# Altium PCB PM12_CFD.PcbDoc (part 8 of 12) (continued)
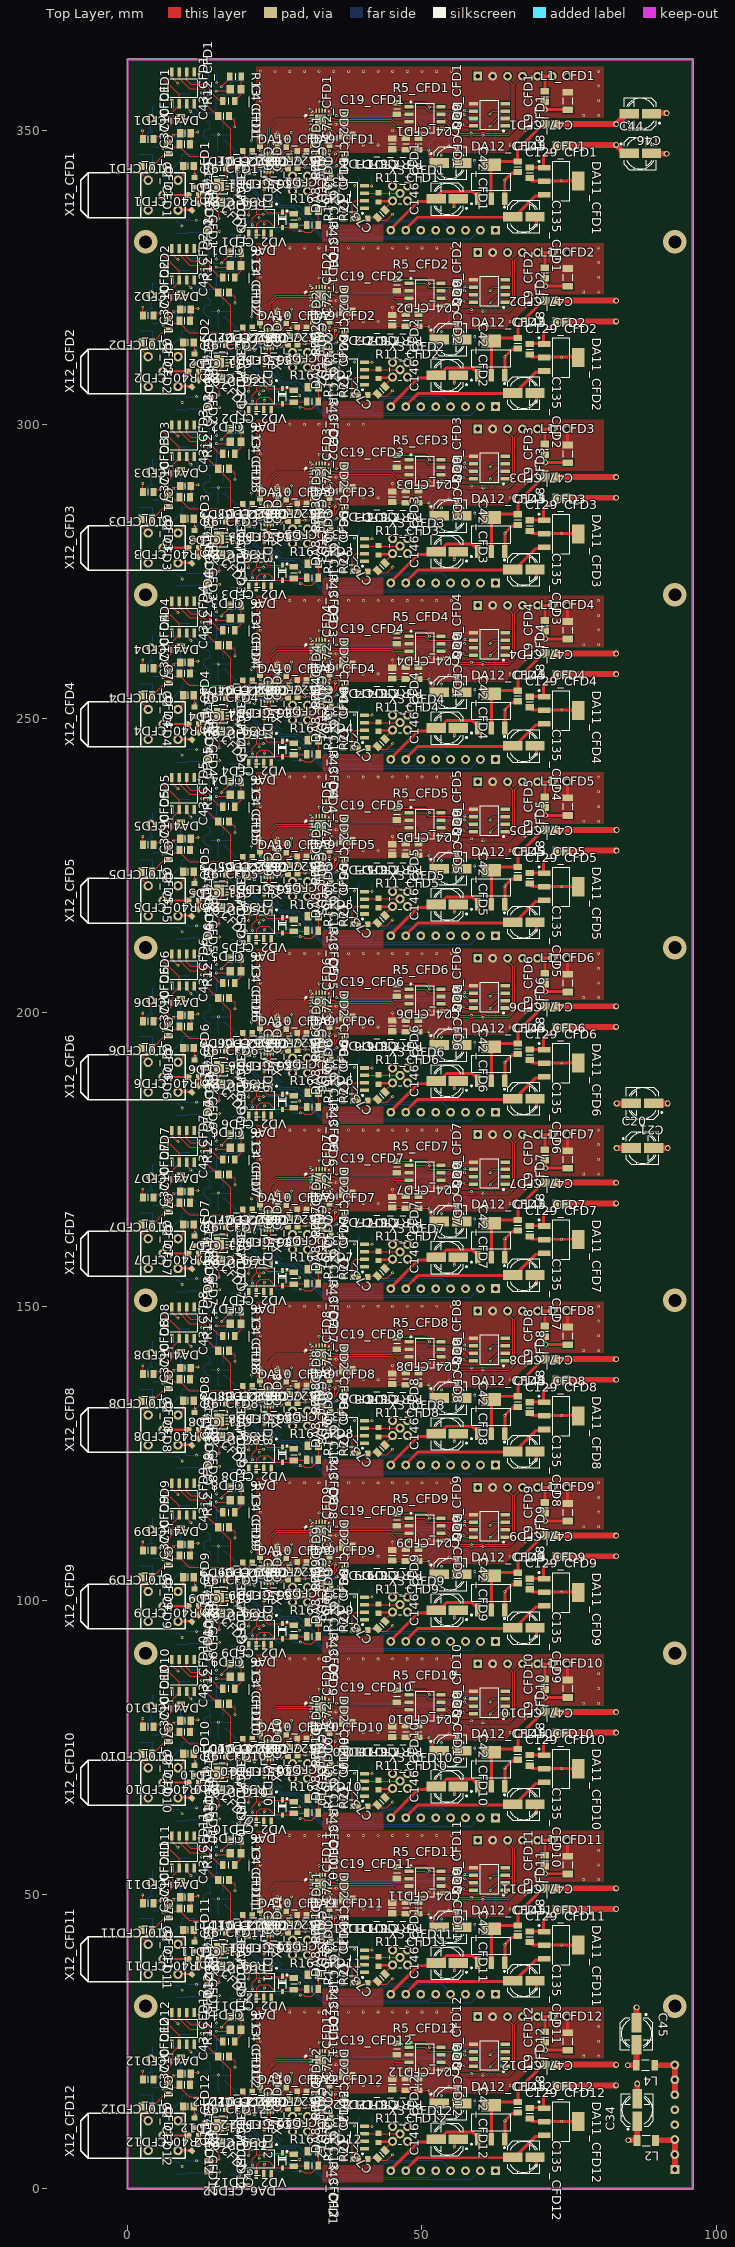
[diagram p0: Top Layer view]
## Nets (pads, with @x,y where several pads share a name; then routed paths per layer and width w, separated by ;. In a path a pad name is that pad's centre, name@x,y a point inside that pad or via, vN(x,y) a via of type N, cw(c..) or ccw(c..) an arc to the next point about the centre after c; other vN are vias at no path point) (continued)
  Bottom Layer w0.2: R9_CFD3.1@2.85,284 2.85,283.25 v1(3.2,282.9)
NetC2_CFD4_2: C2_CFD4.2 R9_CFD4.1 R10_CFD4.2 | length 6.2
  Top Layer w0.2: v1(3.2,252.9) 4.2,253.9 6.2,255.9 R10_CFD4.2@6.9,255.9
  Bottom Layer w0.2: R9_CFD4.1@2.85,254 2.85,253.25 v1(3.2,252.9)
NetC2_CFD5_2: C2_CFD5.2 R9_CFD5.1 R10_CFD5.2 | length 6.2
  Top Layer w0.2: v1(3.2,222.9) 4.2,223.9 6.2,225.9 R10_CFD5.2@6.9,225.9
  Bottom Layer w0.2: R9_CFD5.1@2.85,224 2.85,223.25 v1(3.2,222.9)
NetC2_CFD6_2: C2_CFD6.2 R9_CFD6.1 R10_CFD6.2 | length 6.2
  Top Layer w0.2: v1(3.2,192.9) 4.2,193.9 6.2,195.9 R10_CFD6.2@6.9,195.9
  Bottom Layer w0.2: R9_CFD6.1@2.85,194 2.85,193.25 v1(3.2,192.9)
NetC2_CFD7_2: C2_CFD7.2 R9_CFD7.1 R10_CFD7.2 | length 6.2
  Top Layer w0.2: v1(3.2,162.9) 4.2,163.9 6.2,165.9 R10_CFD7.2@6.9,165.9
  Bottom Layer w0.2: R9_CFD7.1@2.85,164 2.85,163.25 v1(3.2,162.9)
NetC2_CFD8_2: C2_CFD8.2 R9_CFD8.1 R10_CFD8.2 | length 6.2
  Top Layer w0.2: v1(3.2,132.9) 4.2,133.9 6.2,135.9 R10_CFD8.2@6.9,135.9
  Bottom Layer w0.2: R9_CFD8.1@2.85,134 2.85,133.25 v1(3.2,132.9)
NetC2_CFD9_2: C2_CFD9.2 R9_CFD9.1 R10_CFD9.2 | length 6.2
  Top Layer w0.2: v1(3.2,102.9) 4.2,103.9 6.2,105.9 R10_CFD9.2@6.9,105.9
  Bottom Layer w0.2: R9_CFD9.1@2.85,104 2.85,103.25 v1(3.2,102.9)
NetC2_CFD10_2: C2_CFD10.2 R9_CFD10.1 R10_CFD10.2 | length 6.2
  Top Layer w0.2: v1(3.2,72.9) 4.2,73.9 6.2,75.9 R10_CFD10.2@6.9,75.9
  Bottom Layer w0.2: R9_CFD10.1@2.85,74 2.85,73.25 v1(3.2,72.9)
NetC2_CFD11_2: C2_CFD11.2 R9_CFD11.1 R10_CFD11.2 | length 6.2
  Top Layer w0.2: v1(3.2,42.9) 4.2,43.9 6.2,45.9 R10_CFD11.2@6.9,45.9
  Bottom Layer w0.2: R9_CFD11.1@2.85,44 2.85,43.25 v1(3.2,42.9)
NetC2_CFD12_2: C2_CFD12.2 R9_CFD12.1 R10_CFD12.2 | length 6.2
  Top Layer w0.2: v1(3.2,12.9) 4.2,13.9 6.2,15.9 R10_CFD12.2@6.9,15.9
  Bottom Layer w0.2: R9_CFD12.1@2.85,14 2.85,13.25 v1(3.2,12.9)
NetC4_CFD1_2: C4_CFD1.2 R12_CFD1.1 R13_CFD1.2 | length 4.6
  Top Layer w0.2: R12_CFD1.1@18.17,355 19.27,356.1 19.27,357 R13_CFD1.2@19.27,359.1
NetC4_CFD2_2: C4_CFD2.2 R12_CFD2.1 R13_CFD2.2 | length 4.6
  Top Layer w0.2: R12_CFD2.1@18.2,325 19.3,326.1 19.3,327 R13_CFD2.2@19.3,329.1
NetC4_CFD3_2: C4_CFD3.2 R12_CFD3.1 R13_CFD3.2 | length 4.6
  Top Layer w0.2: R12_CFD3.1@18.2,295 19.3,296.1 19.3,297 R13_CFD3.2@19.3,299.1
NetC4_CFD4_2: C4_CFD4.2 R12_CFD4.1 R13_CFD4.2 | length 4.6
  Top Layer w0.2: R12_CFD4.1@18.2,265 19.3,266.1 19.3,267 R13_CFD4.2@19.3,269.1
NetC4_CFD5_2: C4_CFD5.2 R12_CFD5.1 R13_CFD5.2 | length 4.6
  Top Layer w0.2: R12_CFD5.1@18.2,235 19.3,236.1 19.3,237 R13_CFD5.2@19.3,239.1
NetC4_CFD6_2: C4_CFD6.2 R12_CFD6.1 R13_CFD6.2 | length 4.6
  Top Layer w0.2: R12_CFD6.1@18.2,205 19.3,206.1 19.3,207 R13_CFD6.2@19.3,209.1
NetC4_CFD7_2: C4_CFD7.2 R12_CFD7.1 R13_CFD7.2 | length 4.6
  Top Layer w0.2: R12_CFD7.1@18.2,175 19.3,176.1 19.3,177 R13_CFD7.2@19.3,179.1
NetC4_CFD8_2: C4_CFD8.2 R12_CFD8.1 R13_CFD8.2 | length 4.6
  Top Layer w0.2: R12_CFD8.1@18.2,145 19.3,146.1 19.3,147 R13_CFD8.2@19.3,149.1
NetC4_CFD9_2: C4_CFD9.2 R12_CFD9.1 R13_CFD9.2 | length 4.6
  Top Layer w0.2: R12_CFD9.1@18.2,115 19.3,116.1 19.3,117 R13_CFD9.2@19.3,119.1
NetC4_CFD10_2: C4_CFD10.2 R12_CFD10.1 R13_CFD10.2 | length 4.6
  Top Layer w0.2: R12_CFD10.1@18.2,85 19.3,86.1 19.3,87 R13_CFD10.2@19.3,89.1
NetC4_CFD11_2: C4_CFD11.2 R12_CFD11.1 R13_CFD11.2 | length 4.6
  Top Layer w0.2: R12_CFD11.1@18.2,55 19.3,56.1 19.3,57 R13_CFD11.2@19.3,59.1
NetC4_CFD12_2: C4_CFD12.2 R12_CFD12.1 R13_CFD12.2 | length 4.6
  Top Layer w0.2: R12_CFD12.1@18.2,25 19.3,26.1 19.3,27 R13_CFD12.2@19.3,29.1
NetC5_CFD1_1: C5_CFD1.1 R15_CFD1.1 | length 2
  Bottom Layer w0.2: R15_CFD1.1@8.47,356.2 C5_CFD1.1@10.47,356.2
NetC5_CFD1_2: C5_CFD1.2 DA4_CFD1.2 R12_CFD1.2 | length 11.8
  Top Layer w0.2: DA4_CFD1.2@9.97,359.7 9.97,358.5 10.67,357.8 v1(13.02,357.8) 13.16,357.8 14.27,356.69 14.27,356.3 15.57,355 R12_CFD1.2@16.17,355
  Bottom Layer w0.2: C5_CFD1.2@10.47,358.2 12.62,358.2 v1(13.02,357.8)
NetC5_CFD2_1: C5_CFD2.1 R15_CFD2.1 | length 2
  Bottom Layer w0.2: R15_CFD2.1@8.5,326.2 C5_CFD2.1@10.5,326.2
NetC5_CFD2_2: C5_CFD2.2 DA4_CFD2.2 R12_CFD2.2 | length 11.8
  Top Layer w0.2: DA4_CFD2.2@10,329.7 10,328.5 10.7,327.8 v1(13.05,327.8) 13.19,327.8 14.3,326.69 14.3,326.3 15.6,325 R12_CFD2.2@16.2,325
  Bottom Layer w0.2: C5_CFD2.2@10.5,328.2 12.65,328.2 v1(13.05,327.8)
NetC5_CFD3_1: C5_CFD3.1 R15_CFD3.1 | length 2
  Bottom Layer w0.2: R15_CFD3.1@8.5,296.2 C5_CFD3.1@10.5,296.2
NetC5_CFD3_2: C5_CFD3.2 DA4_CFD3.2 R12_CFD3.2 | length 11.8
  Top Layer w0.2: DA4_CFD3.2@10,299.7 10,298.5 10.7,297.8 v1(13.05,297.8) 13.19,297.8 14.3,296.69 14.3,296.3 15.6,295 R12_CFD3.2@16.2,295
  Bottom Layer w0.2: C5_CFD3.2@10.5,298.2 12.65,298.2 v1(13.05,297.8)
NetC5_CFD4_1: C5_CFD4.1 R15_CFD4.1 | length 2
  Bottom Layer w0.2: R15_CFD4.1@8.5,266.2 C5_CFD4.1@10.5,266.2
NetC5_CFD4_2: C5_CFD4.2 DA4_CFD4.2 R12_CFD4.2 | length 11.8
  Top Layer w0.2: DA4_CFD4.2@10,269.7 10,268.5 10.7,267.8 v1(13.05,267.8) 13.19,267.8 14.3,266.69 14.3,266.3 15.6,265 R12_CFD4.2@16.2,265
  Bottom Layer w0.2: C5_CFD4.2@10.5,268.2 12.65,268.2 v1(13.05,267.8)
NetC5_CFD5_1: C5_CFD5.1 R15_CFD5.1 | length 2
  Bottom Layer w0.2: R15_CFD5.1@8.5,236.2 C5_CFD5.1@10.5,236.2
NetC5_CFD5_2: C5_CFD5.2 DA4_CFD5.2 R12_CFD5.2 | length 11.8
  Top Layer w0.2: DA4_CFD5.2@10,239.7 10,238.5 10.7,237.8 v1(13.05,237.8) 13.19,237.8 14.3,236.69 14.3,236.3 15.6,235 R12_CFD5.2@16.2,235
  Bottom Layer w0.2: C5_CFD5.2@10.5,238.2 12.65,238.2 v1(13.05,237.8)
NetC5_CFD6_1: C5_CFD6.1 R15_CFD6.1 | length 2
  Bottom Layer w0.2: R15_CFD6.1@8.5,206.2 C5_CFD6.1@10.5,206.2
NetC5_CFD6_2: C5_CFD6.2 DA4_CFD6.2 R12_CFD6.2 | length 11.8
  Top Layer w0.2: DA4_CFD6.2@10,209.7 10,208.5 10.7,207.8 v1(13.05,207.8) 13.19,207.8 14.3,206.69 14.3,206.3 15.6,205 R12_CFD6.2@16.2,205
  Bottom Layer w0.2: C5_CFD6.2@10.5,208.2 12.65,208.2 v1(13.05,207.8)
NetC5_CFD7_1: C5_CFD7.1 R15_CFD7.1 | length 2
  Bottom Layer w0.2: R15_CFD7.1@8.5,176.2 C5_CFD7.1@10.5,176.2
NetC5_CFD7_2: C5_CFD7.2 DA4_CFD7.2 R12_CFD7.2 | length 11.8
  Top Layer w0.2: DA4_CFD7.2@10,179.7 10,178.5 10.7,177.8 v1(13.05,177.8) 13.19,177.8 14.3,176.69 14.3,176.3 15.6,175 R12_CFD7.2@16.2,175
  Bottom Layer w0.2: C5_CFD7.2@10.5,178.2 12.65,178.2 v1(13.05,177.8)
NetC5_CFD8_1: C5_CFD8.1 R15_CFD8.1 | length 2
  Bottom Layer w0.2: R15_CFD8.1@8.5,146.2 C5_CFD8.1@10.5,146.2
NetC5_CFD8_2: C5_CFD8.2 DA4_CFD8.2 R12_CFD8.2 | length 11.8
  Top Layer w0.2: DA4_CFD8.2@10,149.7 10,148.5 10.7,147.8 v1(13.05,147.8) 13.19,147.8 14.3,146.69 14.3,146.3 15.6,145 R12_CFD8.2@16.2,145
  Bottom Layer w0.2: C5_CFD8.2@10.5,148.2 12.65,148.2 v1(13.05,147.8)
NetC5_CFD9_1: C5_CFD9.1 R15_CFD9.1 | length 2
  Bottom Layer w0.2: R15_CFD9.1@8.5,116.2 C5_CFD9.1@10.5,116.2
NetC5_CFD9_2: C5_CFD9.2 DA4_CFD9.2 R12_CFD9.2 | length 11.8
  Top Layer w0.2: DA4_CFD9.2@10,119.7 10,118.5 10.7,117.8 v1(13.05,117.8) 13.19,117.8 14.3,116.69 14.3,116.3 15.6,115 R12_CFD9.2@16.2,115
  Bottom Layer w0.2: C5_CFD9.2@10.5,118.2 12.65,118.2 v1(13.05,117.8)
NetC5_CFD10_1: C5_CFD10.1 R15_CFD10.1 | length 2
  Bottom Layer w0.2: R15_CFD10.1@8.5,86.2 C5_CFD10.1@10.5,86.2
NetC5_CFD10_2: C5_CFD10.2 DA4_CFD10.2 R12_CFD10.2 | length 11.8
  Top Layer w0.2: DA4_CFD10.2@10,89.7 10,88.5 10.7,87.8 v1(13.05,87.8) 13.19,87.8 14.3,86.69 14.3,86.3 15.6,85 R12_CFD10.2@16.2,85
  Bottom Layer w0.2: C5_CFD10.2@10.5,88.2 12.65,88.2 v1(13.05,87.8)
NetC5_CFD11_1: C5_CFD11.1 R15_CFD11.1 | length 2
  Bottom Layer w0.2: R15_CFD11.1@8.5,56.2 C5_CFD11.1@10.5,56.2
NetC5_CFD11_2: C5_CFD11.2 DA4_CFD11.2 R12_CFD11.2 | length 11.8
  Top Layer w0.2: DA4_CFD11.2@10,59.7 10,58.5 10.7,57.8 v1(13.05,57.8) 13.19,57.8 14.3,56.69 14.3,56.3 15.6,55 R12_CFD11.2@16.2,55
  Bottom Layer w0.2: C5_CFD11.2@10.5,58.2 12.65,58.2 v1(13.05,57.8)
NetC5_CFD12_1: C5_CFD12.1 R15_CFD12.1 | length 2
  Bottom Layer w0.2: R15_CFD12.1@8.5,26.2 C5_CFD12.1@10.5,26.2
NetC5_CFD12_2: C5_CFD12.2 DA4_CFD12.2 R12_CFD12.2 | length 11.8
  Top Layer w0.2: DA4_CFD12.2@10,29.7 10,28.5 10.7,27.8 v1(13.05,27.8) 13.19,27.8 14.3,26.69 14.3,26.3 15.6,25 R12_CFD12.2@16.2,25
  Bottom Layer w0.2: C5_CFD12.2@10.5,28.2 12.65,28.2 v1(13.05,27.8)
NetC6_CFD1_2: C6_CFD1.2 DA3_CFD1.4 | length 2
  Bottom Layer w0.2: DA3_CFD1.4@16.17,350.2 C6_CFD1.2@16.17,352.2
NetC6_CFD2_2: C6_CFD2.2 DA3_CFD2.4 | length 2
  Bottom Layer w0.2: DA3_CFD2.4@16.2,320.2 C6_CFD2.2@16.2,322.2
NetC6_CFD3_2: C6_CFD3.2 DA3_CFD3.4 | length 2
  Bottom Layer w0.2: DA3_CFD3.4@16.2,290.2 C6_CFD3.2@16.2,292.2
NetC6_CFD4_2: C6_CFD4.2 DA3_CFD4.4 | length 2
  Bottom Layer w0.2: DA3_CFD4.4@16.2,260.2 C6_CFD4.2@16.2,262.2
NetC6_CFD5_2: C6_CFD5.2 DA3_CFD5.4 | length 2
  Bottom Layer w0.2: DA3_CFD5.4@16.2,230.2 C6_CFD5.2@16.2,232.2
NetC6_CFD6_2: C6_CFD6.2 DA3_CFD6.4 | length 2
  Bottom Layer w0.2: DA3_CFD6.4@16.2,200.2 C6_CFD6.2@16.2,202.2
NetC6_CFD7_2: C6_CFD7.2 DA3_CFD7.4 | length 2
  Bottom Layer w0.2: DA3_CFD7.4@16.2,170.2 C6_CFD7.2@16.2,172.2
NetC6_CFD8_2: C6_CFD8.2 DA3_CFD8.4 | length 2
  Bottom Layer w0.2: DA3_CFD8.4@16.2,140.2 C6_CFD8.2@16.2,142.2
NetC6_CFD9_2: C6_CFD9.2 DA3_CFD9.4 | length 2
  Bottom Layer w0.2: DA3_CFD9.4@16.2,110.2 C6_CFD9.2@16.2,112.2
NetC6_CFD10_2: C6_CFD10.2 DA3_CFD10.4 | length 2
  Bottom Layer w0.2: DA3_CFD10.4@16.2,80.2 C6_CFD10.2@16.2,82.2
NetC6_CFD11_2: C6_CFD11.2 DA3_CFD11.4 | length 2
  Bottom Layer w0.2: DA3_CFD11.4@16.2,50.2 C6_CFD11.2@16.2,52.2
NetC6_CFD12_2: C6_CFD12.2 DA3_CFD12.4 | length 2
  Bottom Layer w0.2: DA3_CFD12.4@16.2,20.2 C6_CFD12.2@16.2,22.2
NetC13_CFD1_2: C13_CFD1.2 R42_CFD1.1 R43_CFD1.2 | length 7.4
  Top Layer w0.2: v1(29.27,332.9) 29.764,332.9 30.039,332.625 31.195,332.625 32.37,333.8 C13_CFD1.2@32.37,336.3
  Bottom Layer w0.2: R42_CFD1.1@28.056,332.9 v1(29.27,332.9)
NetC13_CFD2_2: C13_CFD2.2 R42_CFD2.1 R43_CFD2.2 | length 7.4
  Top Layer w0.2: v1(29.3,302.9) 29.794,302.9 30.069,302.625 31.225,302.625 32.4,303.8 C13_CFD2.2@32.4,306.3
  Bottom Layer w0.2: R42_CFD2.1@28.086,302.9 v1(29.3,302.9)
NetC13_CFD3_2: C13_CFD3.2 R42_CFD3.1 R43_CFD3.2 | length 7.4
  Top Layer w0.2: v1(29.3,272.9) 29.794,272.9 30.069,272.625 31.225,272.625 32.4,273.8 C13_CFD3.2@32.4,276.3
  Bottom Layer w0.2: R42_CFD3.1@28.086,272.9 v1(29.3,272.9)
NetC13_CFD4_2: C13_CFD4.2 R42_CFD4.1 R43_CFD4.2 | length 7.4
  Top Layer w0.2: v1(29.3,242.9) 29.794,242.9 30.069,242.625 31.225,242.625 32.4,243.8 C13_CFD4.2@32.4,246.3
  Bottom Layer w0.2: R42_CFD4.1@28.086,242.9 v1(29.3,242.9)
NetC13_CFD5_2: C13_CFD5.2 R42_CFD5.1 R43_CFD5.2 | length 7.4
  Top Layer w0.2: v1(29.3,212.9) 29.794,212.9 30.069,212.625 31.225,212.625 32.4,213.8 C13_CFD5.2@32.4,216.3
  Bottom Layer w0.2: R42_CFD5.1@28.086,212.9 v1(29.3,212.9)
NetC13_CFD6_2: C13_CFD6.2 R42_CFD6.1 R43_CFD6.2 | length 7.4
  Top Layer w0.2: v1(29.3,182.9) 29.794,182.9 30.069,182.625 31.225,182.625 32.4,183.8 C13_CFD6.2@32.4,186.3
  Bottom Layer w0.2: R42_CFD6.1@28.086,182.9 v1(29.3,182.9)
NetC13_CFD7_2: C13_CFD7.2 R42_CFD7.1 R43_CFD7.2 | length 7.4
  Top Layer w0.2: v1(29.3,152.9) 29.794,152.9 30.069,152.625 31.225,152.625 32.4,153.8 C13_CFD7.2@32.4,156.3
  Bottom Layer w0.2: R42_CFD7.1@28.086,152.9 v1(29.3,152.9)
NetC13_CFD8_2: C13_CFD8.2 R42_CFD8.1 R43_CFD8.2 | length 7.4
  Top Layer w0.2: v1(29.3,122.9) 29.794,122.9 30.069,122.625 31.225,122.625 32.4,123.8 C13_CFD8.2@32.4,126.3
  Bottom Layer w0.2: R42_CFD8.1@28.086,122.9 v1(29.3,122.9)
NetC13_CFD9_2: C13_CFD9.2 R42_CFD9.1 R43_CFD9.2 | length 7.4
  Top Layer w0.2: v1(29.3,92.9) 29.794,92.9 30.069,92.625 31.225,92.625 32.4,93.8 C13_CFD9.2@32.4,96.3
  Bottom Layer w0.2: R42_CFD9.1@28.086,92.9 v1(29.3,92.9)
NetC13_CFD10_2: C13_CFD10.2 R42_CFD10.1 R43_CFD10.2 | length 7.4
  Top Layer w0.2: v1(29.3,62.9) 29.794,62.9 30.069,62.625 31.225,62.625 32.4,63.8 C13_CFD10.2@32.4,66.3
  Bottom Layer w0.2: R42_CFD10.1@28.086,62.9 v1(29.3,62.9)
NetC13_CFD11_2: C13_CFD11.2 R42_CFD11.1 R43_CFD11.2 | length 7.4
  Top Layer w0.2: v1(29.3,32.9) 29.794,32.9 30.069,32.625 31.225,32.625 32.4,33.8 C13_CFD11.2@32.4,36.3
  Bottom Layer w0.2: R42_CFD11.1@28.086,32.9 v1(29.3,32.9)
NetC13_CFD12_2: C13_CFD12.2 R42_CFD12.1 R43_CFD12.2 | length 7.4
  Top Layer w0.2: v1(29.3,2.9) 29.794,2.9 30.069,2.625 31.225,2.625 32.4,3.8 C13_CFD12.2@32.4,6.3
  Bottom Layer w0.2: R42_CFD12.1@28.086,2.9 v1(29.3,2.9)
NetC14_CFD1_2: C14_CFD1.2 pad.1@11.37,343.9 R40_CFD1.1 R41_CFD1.2 | length 4
  Top Layer w0.2: R40_CFD1.1@11.37,341.65 11.358,341.662 v1(11.358,342.523) 11.358,343.888 pad.1@11.37,343.9
  Bottom Layer w0.2: v1(11.358,342.523) 11.423,342.523 R41_CFD1.2@12.6,343.7
NetC14_CFD2_2: C14_CFD2.2 R40_CFD2.1 R41_CFD2.2 | length 4
  Top Layer w0.2: R40_CFD2.1@11.4,311.65 11.388,311.662 v1(11.388,312.523) 11.388,313.888 C14_CFD2.2@11.4,313.9
  Bottom Layer w0.2: v1(11.388,312.523) 11.453,312.523 R41_CFD2.2@12.63,313.7
NetC14_CFD3_2: C14_CFD3.2 R40_CFD3.1 R41_CFD3.2 | length 4
  Top Layer w0.2: R40_CFD3.1@11.4,281.65 11.388,281.662 v1(11.388,282.523) 11.388,283.888 C14_CFD3.2@11.4,283.9
  Bottom Layer w0.2: v1(11.388,282.523) 11.453,282.523 R41_CFD3.2@12.63,283.7
NetC14_CFD4_2: C14_CFD4.2 R40_CFD4.1 R41_CFD4.2 | length 4
  Top Layer w0.2: R40_CFD4.1@11.4,251.65 11.388,251.662 v1(11.388,252.523) 11.388,253.888 C14_CFD4.2@11.4,253.9
  Bottom Layer w0.2: v1(11.388,252.523) 11.453,252.523 R41_CFD4.2@12.63,253.7
NetC14_CFD5_2: C14_CFD5.2 R40_CFD5.1 R41_CFD5.2 | length 4
  Top Layer w0.2: R40_CFD5.1@11.4,221.65 11.388,221.662 v1(11.388,222.523) 11.388,223.888 C14_CFD5.2@11.4,223.9
  Bottom Layer w0.2: v1(11.388,222.523) 11.453,222.523 R41_CFD5.2@12.63,223.7
NetC14_CFD6_2: C14_CFD6.2 R40_CFD6.1 R41_CFD6.2 | length 4
  Top Layer w0.2: R40_CFD6.1@11.4,191.65 11.388,191.662 v1(11.388,192.523) 11.388,193.888 C14_CFD6.2@11.4,193.9
  Bottom Layer w0.2: v1(11.388,192.523) 11.453,192.523 R41_CFD6.2@12.63,193.7
NetC14_CFD7_2: C14_CFD7.2 R40_CFD7.1 R41_CFD7.2 | length 4
  Top Layer w0.2: R40_CFD7.1@11.4,161.65 11.388,161.662 v1(11.388,162.523) 11.388,163.888 C14_CFD7.2@11.4,163.9
  Bottom Layer w0.2: v1(11.388,162.523) 11.453,162.523 R41_CFD7.2@12.63,163.7
NetC14_CFD8_2: C14_CFD8.2 R40_CFD8.1 R41_CFD8.2 | length 4
  Top Layer w0.2: R40_CFD8.1@11.4,131.65 11.388,131.662 v1(11.388,132.523) 11.388,133.888 C14_CFD8.2@11.4,133.9
  Bottom Layer w0.2: v1(11.388,132.523) 11.453,132.523 R41_CFD8.2@12.63,133.7
NetC14_CFD9_2: C14_CFD9.2 R40_CFD9.1 R41_CFD9.2 | length 4
  Top Layer w0.2: R40_CFD9.1@11.4,101.65 11.388,101.662 v1(11.388,102.523) 11.388,103.888 C14_CFD9.2@11.4,103.9
  Bottom Layer w0.2: v1(11.388,102.523) 11.453,102.523 R41_CFD9.2@12.63,103.7
NetC14_CFD10_2: C14_CFD10.2 R40_CFD10.1 R41_CFD10.2 | length 4
  Top Layer w0.2: R40_CFD10.1@11.4,71.65 11.388,71.662 v1(11.388,72.523) 11.388,73.888 C14_CFD10.2@11.4,73.9
  Bottom Layer w0.2: v1(11.388,72.523) 11.453,72.523 R41_CFD10.2@12.63,73.7
NetC14_CFD11_2: C14_CFD11.2 R40_CFD11.1 R41_CFD11.2 | length 4
  Top Layer w0.2: R40_CFD11.1@11.4,41.65 11.388,41.662 v1(11.388,42.523) 11.388,43.888 C14_CFD11.2@11.4,43.9
  Bottom Layer w0.2: v1(11.388,42.523) 11.453,42.523 R41_CFD11.2@12.63,43.7
NetC14_CFD12_2: C14_CFD12.2 R40_CFD12.1 R41_CFD12.2 | length 4
  Top Layer w0.2: R40_CFD12.1@11.4,11.65 11.388,11.662 v1(11.388,12.523) 11.388,13.888 C14_CFD12.2@11.4,13.9
  Bottom Layer w0.2: v1(11.388,12.523) 11.453,12.523 R41_CFD12.2@12.63,13.7
NetC15_CFD1_2: C15_CFD1.2 R14_CFD1.1 | length 1.5
  Bottom Layer w0.2: C15_CFD1.2@17.37,334.3 17.97,334.9 R14_CFD1.1@17.97,335.6
NetC15_CFD2_2: C15_CFD2.2 R14_CFD2.1 | length 2.1
  Bottom Layer w0.2: C15_CFD2.2@17.4,304.3 18,304.9 R14_CFD2.1@18,305.6 ; R14_CFD2.1@17.4,305.4 R14_CFD2.1@17.4,306
NetC15_CFD3_2: C15_CFD3.2 R14_CFD3.1 | length 2.1
  Bottom Layer w0.2: C15_CFD3.2@17.4,274.3 18,274.9 R14_CFD3.1@18,275.6 ; R14_CFD3.1@17.4,275.4 R14_CFD3.1@17.4,276
NetC15_CFD4_2: C15_CFD4.2 R14_CFD4.1 | length 2.1
  Bottom Layer w0.2: C15_CFD4.2@17.4,244.3 18,244.9 R14_CFD4.1@18,245.6 ; R14_CFD4.1@17.4,245.4 R14_CFD4.1@17.4,246
NetC15_CFD5_2: C15_CFD5.2 R14_CFD5.1 | length 2.1
  Bottom Layer w0.2: C15_CFD5.2@17.4,214.3 18,214.9 R14_CFD5.1@18,215.6 ; R14_CFD5.1@17.4,215.4 R14_CFD5.1@17.4,216
NetC15_CFD6_2: C15_CFD6.2 R14_CFD6.1 | length 2.1
  Bottom Layer w0.2: C15_CFD6.2@17.4,184.3 18,184.9 R14_CFD6.1@18,185.6 ; R14_CFD6.1@17.4,185.4 R14_CFD6.1@17.4,186
NetC15_CFD7_2: C15_CFD7.2 R14_CFD7.1 | length 2.1
  Bottom Layer w0.2: C15_CFD7.2@17.4,154.3 18,154.9 R14_CFD7.1@18,155.6 ; R14_CFD7.1@17.4,155.4 R14_CFD7.1@17.4,156
NetC15_CFD8_2: C15_CFD8.2 R14_CFD8.1 | length 2.1
  Bottom Layer w0.2: C15_CFD8.2@17.4,124.3 18,124.9 R14_CFD8.1@18,125.6 ; R14_CFD8.1@17.4,125.4 R14_CFD8.1@17.4,126
NetC15_CFD9_2: C15_CFD9.2 R14_CFD9.1 | length 2.1
  Bottom Layer w0.2: C15_CFD9.2@17.4,94.3 18,94.9 R14_CFD9.1@18,95.6 ; R14_CFD9.1@17.4,95.4 R14_CFD9.1@17.4,96
NetC15_CFD10_2: C15_CFD10.2 R14_CFD10.1 | length 2.1
  Bottom Layer w0.2: C15_CFD10.2@17.4,64.3 18,64.9 R14_CFD10.1@18,65.6 ; R14_CFD10.1@17.4,65.4 R14_CFD10.1@17.4,66
NetC15_CFD11_2: C15_CFD11.2 R14_CFD11.1 | length 2.1
  Bottom Layer w0.2: C15_CFD11.2@17.4,34.3 18,34.9 R14_CFD11.1@18,35.6 ; R14_CFD11.1@17.4,35.4 R14_CFD11.1@17.4,36
NetC15_CFD12_2: C15_CFD12.2 R14_CFD12.1 | length 2.1
  Bottom Layer w0.2: C15_CFD12.2@17.4,4.3 18,4.9 R14_CFD12.1@18,5.6 ; R14_CFD12.1@17.4,5.4 R14_CFD12.1@17.4,6
NetC16_CFD1_2: C16_CFD1.2 DD9_CFD1.2 R44_CFD1.2 | length 5.3
  Top Layer w0.2: v1(61.586,350.668) 62.915,351.997 DD9_CFD1.2@63.475,351.997
  Bottom Layer w0.2: R44_CFD1.2@61.401,349.133 61.401,350.484 v1(61.586,350.668) C16_CFD1.2@62.485,351.567
NetC16_CFD2_2: C16_CFD2.2 DD9_CFD2.2 R44_CFD2.2 | length 5.3
  Top Layer w0.2: v1(61.616,320.668) 62.945,321.997 DD9_CFD2.2@63.505,321.997
  Bottom Layer w0.2: R44_CFD2.2@61.431,319.133 61.431,320.484 v1(61.616,320.668) C16_CFD2.2@62.514,321.567
NetC16_CFD3_2: C16_CFD3.2 DD9_CFD3.2 R44_CFD3.2 | length 5.3
  Top Layer w0.2: v1(61.616,290.668) 62.944,291.997 DD9_CFD3.2@63.505,291.997
  Bottom Layer w0.2: R44_CFD3.2@61.431,289.133 61.431,290.484 v1(61.616,290.668) C16_CFD3.2@62.514,291.567
NetC16_CFD4_2: C16_CFD4.2 DD9_CFD4.2 R44_CFD4.2 | length 5.3
  Top Layer w0.2: v1(61.616,260.668) 62.944,261.997 DD9_CFD4.2@63.505,261.997
  Bottom Layer w0.2: R44_CFD4.2@61.431,259.133 61.431,260.484 v1(61.616,260.668) C16_CFD4.2@62.514,261.567
NetC16_CFD5_2: C16_CFD5.2 DD9_CFD5.2 R44_CFD5.2 | length 5.3
  Top Layer w0.2: v1(61.616,230.668) 62.944,231.997 DD9_CFD5.2@63.505,231.997
  Bottom Layer w0.2: R44_CFD5.2@61.431,229.133 61.431,230.484 v1(61.616,230.668) C16_CFD5.2@62.514,231.567
NetC16_CFD6_2: C16_CFD6.2 DD9_CFD6.2 R44_CFD6.2 | length 5.3
  Top Layer w0.2: v1(61.616,200.668) 62.944,201.997 DD9_CFD6.2@63.505,201.997
  Bottom Layer w0.2: R44_CFD6.2@61.431,199.133 61.431,200.484 v1(61.616,200.668) C16_CFD6.2@62.514,201.567
NetC16_CFD7_2: C16_CFD7.2 DD9_CFD7.2 R44_CFD7.2 | length 5.3
  Top Layer w0.2: v1(61.616,170.668) 62.944,171.997 DD9_CFD7.2@63.505,171.997
  Bottom Layer w0.2: R44_CFD7.2@61.431,169.133 61.431,170.484 v1(61.616,170.668) C16_CFD7.2@62.514,171.567
NetC16_CFD8_2: C16_CFD8.2 DD9_CFD8.2 R44_CFD8.2 | length 5.3
  Top Layer w0.2: v1(61.616,140.668) 62.944,141.997 DD9_CFD8.2@63.505,141.997
  Bottom Layer w0.2: R44_CFD8.2@61.431,139.133 61.431,140.484 v1(61.616,140.668) C16_CFD8.2@62.514,141.567
NetC16_CFD9_2: C16_CFD9.2 DD9_CFD9.2 R44_CFD9.2 | length 5.3
  Top Layer w0.2: v1(61.616,110.668) 62.944,111.997 DD9_CFD9.2@63.505,111.997
  Bottom Layer w0.2: R44_CFD9.2@61.431,109.133 61.431,110.484 v1(61.616,110.668) C16_CFD9.2@62.514,111.567
NetC16_CFD10_2: C16_CFD10.2 DD9_CFD10.2 R44_CFD10.2 | length 5.3
  Top Layer w0.2: v1(61.616,80.668) 62.944,81.997 DD9_CFD10.2@63.505,81.997
  Bottom Layer w0.2: R44_CFD10.2@61.431,79.133 61.431,80.484 v1(61.616,80.668) C16_CFD10.2@62.514,81.567
NetC16_CFD11_2: C16_CFD11.2 DD9_CFD11.2 R44_CFD11.2 | length 5.3
  Top Layer w0.2: v1(61.616,50.668) 62.944,51.997 DD9_CFD11.2@63.505,51.997
  Bottom Layer w0.2: R44_CFD11.2@61.431,49.133 61.431,50.484 v1(61.616,50.668) C16_CFD11.2@62.514,51.567
NetC16_CFD12_2: C16_CFD12.2 DD9_CFD12.2 R44_CFD12.2 | length 5.3
  Top Layer w0.2: v1(61.616,20.668) 62.944,21.997 DD9_CFD12.2@63.505,21.997
  Bottom Layer w0.2: R44_CFD12.2@61.431,19.133 61.431,20.484 v1(61.616,20.668) C16_CFD12.2@62.514,21.567
NetC17_CFD1_2: C17_CFD1.2 DD9_CFD1.3 R18_CFD1.2 | length 11.1
  Top Layer w0.2: v1(61.513,352.718) 62.062,353.267 DD9_CFD1.3@63.955,353.267
  Bottom Layer w0.2: v1(61.513,352.718) 62.462,353.667 63.3,352.829 63.3,350.652 62.433,349.785 R18_CFD1.2@62.433,347.259
NetC17_CFD2_2: C17_CFD2.2 DD9_CFD2.3 R18_CFD2.2 | length 11.1
  Top Layer w0.2: v1(61.543,322.718) 62.092,323.267 DD9_CFD2.3@63.985,323.267
  Bottom Layer w0.2: v1(61.543,322.718) 62.492,323.667 63.33,322.829 63.33,320.652 62.463,319.785 R18_CFD2.2@62.463,317.259
NetC17_CFD3_2: C17_CFD3.2 DD9_CFD3.3 R18_CFD3.2 | length 11.1
  Top Layer w0.2: v1(61.543,292.718) 62.092,293.267 DD9_CFD3.3@63.985,293.267
  Bottom Layer w0.2: v1(61.543,292.718) 62.492,293.667 63.33,292.829 63.33,290.652 62.463,289.785 R18_CFD3.2@62.463,287.259
NetC17_CFD4_2: C17_CFD4.2 DD9_CFD4.3 R18_CFD4.2 | length 11.1
  Top Layer w0.2: v1(61.543,262.718) 62.092,263.267 DD9_CFD4.3@63.985,263.267
  Bottom Layer w0.2: v1(61.543,262.718) 62.492,263.667 63.33,262.829 63.33,260.652 62.463,259.785 R18_CFD4.2@62.463,257.259
NetC17_CFD5_2: C17_CFD5.2 DD9_CFD5.3 R18_CFD5.2 | length 11.1
  Top Layer w0.2: v1(61.543,232.718) 62.092,233.267 DD9_CFD5.3@63.985,233.267
  Bottom Layer w0.2: v1(61.543,232.718) 62.492,233.667 63.33,232.829 63.33,230.652 62.463,229.785 R18_CFD5.2@62.463,227.259
NetC17_CFD6_2: C17_CFD6.2 DD9_CFD6.3 R18_CFD6.2 | length 11.1
  Top Layer w0.2: v1(61.543,202.718) 62.092,203.267 DD9_CFD6.3@63.985,203.267
  Bottom Layer w0.2: v1(61.543,202.718) 62.492,203.667 63.33,202.829 63.33,200.652 62.463,199.785 R18_CFD6.2@62.463,197.259
NetC17_CFD7_2: C17_CFD7.2 DD9_CFD7.3 R18_CFD7.2 | length 11.1
  Top Layer w0.2: v1(61.543,172.718) 62.092,173.267 DD9_CFD7.3@63.985,173.267
  Bottom Layer w0.2: v1(61.543,172.718) 62.492,173.667 63.33,172.829 63.33,170.652 62.463,169.785 R18_CFD7.2@62.463,167.259
NetC17_CFD8_2: C17_CFD8.2 DD9_CFD8.3 R18_CFD8.2 | length 11.1
  Top Layer w0.2: v1(61.543,142.718) 62.092,143.267 DD9_CFD8.3@63.985,143.267
  Bottom Layer w0.2: v1(61.543,142.718) 62.492,143.667 63.33,142.829 63.33,140.652 62.463,139.785 R18_CFD8.2@62.463,137.259
NetC17_CFD9_2: C17_CFD9.2 DD9_CFD9.3 R18_CFD9.2 | length 11.1
  Top Layer w0.2: v1(61.543,112.718) 62.092,113.267 DD9_CFD9.3@63.985,113.267
  Bottom Layer w0.2: v1(61.543,112.718) 62.492,113.667 63.33,112.829 63.33,110.652 62.463,109.785 R18_CFD9.2@62.463,107.259
NetC17_CFD10_2: C17_CFD10.2 DD9_CFD10.3 R18_CFD10.2 | length 11.1
  Top Layer w0.2: v1(61.543,82.718) 62.092,83.267 DD9_CFD10.3@63.985,83.267
  Bottom Layer w0.2: v1(61.543,82.718) 62.492,83.667 63.33,82.829 63.33,80.652 62.463,79.785 R18_CFD10.2@62.463,77.259
NetC17_CFD11_2: C17_CFD11.2 DD9_CFD11.3 R18_CFD11.2 | length 11.1
  Top Layer w0.2: v1(61.543,52.718) 62.092,53.267 DD9_CFD11.3@63.985,53.267
  Bottom Layer w0.2: v1(61.543,52.718) 62.492,53.667 63.33,52.829 63.33,50.652 62.463,49.785 R18_CFD11.2@62.463,47.259
NetC17_CFD12_2: C17_CFD12.2 DD9_CFD12.3 R18_CFD12.2 | length 11.1
  Top Layer w0.2: v1(61.543,22.718) 62.092,23.267 DD9_CFD12.3@63.985,23.267
  Bottom Layer w0.2: v1(61.543,22.718) 62.492,23.667 63.33,22.829 63.33,20.652 62.463,19.785 R18_CFD12.2@62.463,17.259
NetC22_CFD1_2: C22_CFD1.2 DA13_CFD1.8 | length 3.6
  Bottom Layer w0.25: DA13_CFD1.8@57.084,348.8 58.955,346.93 C22_CFD1.2@58.955,345.95
NetC22_CFD2_2: C22_CFD2.2 DA13_CFD2.8 | length 3.6
  Bottom Layer w0.25: DA13_CFD2.8@57.114,318.8 58.985,316.93 C22_CFD2.2@58.985,315.95
NetC22_CFD3_2: C22_CFD3.2 DA13_CFD3.8 | length 3.6
  Bottom Layer w0.25: DA13_CFD3.8@57.114,288.8 58.985,286.93 C22_CFD3.2@58.985,285.95
NetC22_CFD4_2: C22_CFD4.2 DA13_CFD4.8 | length 3.6
  Bottom Layer w0.25: DA13_CFD4.8@57.114,258.8 58.985,256.93 C22_CFD4.2@58.985,255.95
NetC22_CFD5_2: C22_CFD5.2 DA13_CFD5.8 | length 3.6
  Bottom Layer w0.25: DA13_CFD5.8@57.114,228.8 58.985,226.93 C22_CFD5.2@58.985,225.95
NetC22_CFD6_2: C22_CFD6.2 DA13_CFD6.8 | length 3.6
  Bottom Layer w0.25: DA13_CFD6.8@57.114,198.8 58.985,196.93 C22_CFD6.2@58.985,195.95
NetC22_CFD7_2: C22_CFD7.2 DA13_CFD7.8 | length 3.6
  Bottom Layer w0.25: DA13_CFD7.8@57.114,168.8 58.985,166.93 C22_CFD7.2@58.985,165.95
NetC22_CFD8_2: C22_CFD8.2 DA13_CFD8.8 | length 3.6
  Bottom Layer w0.25: DA13_CFD8.8@57.114,138.8 58.985,136.93 C22_CFD8.2@58.985,135.95
NetC22_CFD9_2: C22_CFD9.2 DA13_CFD9.8 | length 3.6
  Bottom Layer w0.25: DA13_CFD9.8@57.114,108.8 58.985,106.93 C22_CFD9.2@58.985,105.95
NetC22_CFD10_2: C22_CFD10.2 DA13_CFD10.8 | length 3.6
  Bottom Layer w0.25: DA13_CFD10.8@57.114,78.8 58.985,76.93 C22_CFD10.2@58.985,75.95
NetC22_CFD11_2: C22_CFD11.2 DA13_CFD11.8 | length 3.6
  Bottom Layer w0.25: DA13_CFD11.8@57.114,48.8 58.985,46.93 C22_CFD11.2@58.985,45.95
NetC22_CFD12_2: C22_CFD12.2 DA13_CFD12.8 | length 3.6
  Bottom Layer w0.25: DA13_CFD12.8@57.114,18.8 58.985,16.93 C22_CFD12.2@58.985,15.95
NetC28_CFD1_2: C28_CFD1.2 DA10_CFD1.2 R24_CFD1.2 | length 6.4
  Top Layer w0.2: v1(23.37,341.9) 23.37,342.164 23.72,342.514 DA10_CFD1.2@23.72,343
  Bottom Layer w0.2: v1(23.37,341.9) 23.37,341.5 25.19,339.68 25.32,339.68 25.32,338.75 25.87,338.2 R24_CFD1.2@26.22,338.2
NetC28_CFD2_2: C28_CFD2.2 DA10_CFD2.2 R24_CFD2.2 | length 6.4
  Top Layer w0.2: v1(23.4,311.9) 23.4,312.164 23.75,312.514 DA10_CFD2.2@23.75,313
  Bottom Layer w0.2: v1(23.4,311.9) 23.4,311.5 25.22,309.68 25.35,309.68 25.35,308.75 25.9,308.2 R24_CFD2.2@26.25,308.2
NetC28_CFD3_2: C28_CFD3.2 DA10_CFD3.2 R24_CFD3.2 | length 6.4
  Top Layer w0.2: v1(23.4,281.9) 23.4,282.164 23.75,282.514 DA10_CFD3.2@23.75,283
  Bottom Layer w0.2: v1(23.4,281.9) 23.4,281.5 25.22,279.68 25.35,279.68 25.35,278.75 25.9,278.2 R24_CFD3.2@26.25,278.2
NetC28_CFD4_2: C28_CFD4.2 DA10_CFD4.2 R24_CFD4.2 | length 6.4
  Top Layer w0.2: v1(23.4,251.9) 23.4,252.164 23.75,252.514 DA10_CFD4.2@23.75,253
  Bottom Layer w0.2: v1(23.4,251.9) 23.4,251.5 25.22,249.68 25.35,249.68 25.35,248.75 25.9,248.2 R24_CFD4.2@26.25,248.2
NetC28_CFD5_2: C28_CFD5.2 DA10_CFD5.2 R24_CFD5.2 | length 6.4
  Top Layer w0.2: v1(23.4,221.9) 23.4,222.164 23.75,222.514 DA10_CFD5.2@23.75,223
  Bottom Layer w0.2: v1(23.4,221.9) 23.4,221.5 25.22,219.68 25.35,219.68 25.35,218.75 25.9,218.2 R24_CFD5.2@26.25,218.2